# Altium PCB MB1397.PcbDoc (part 8 of 11) (continued)
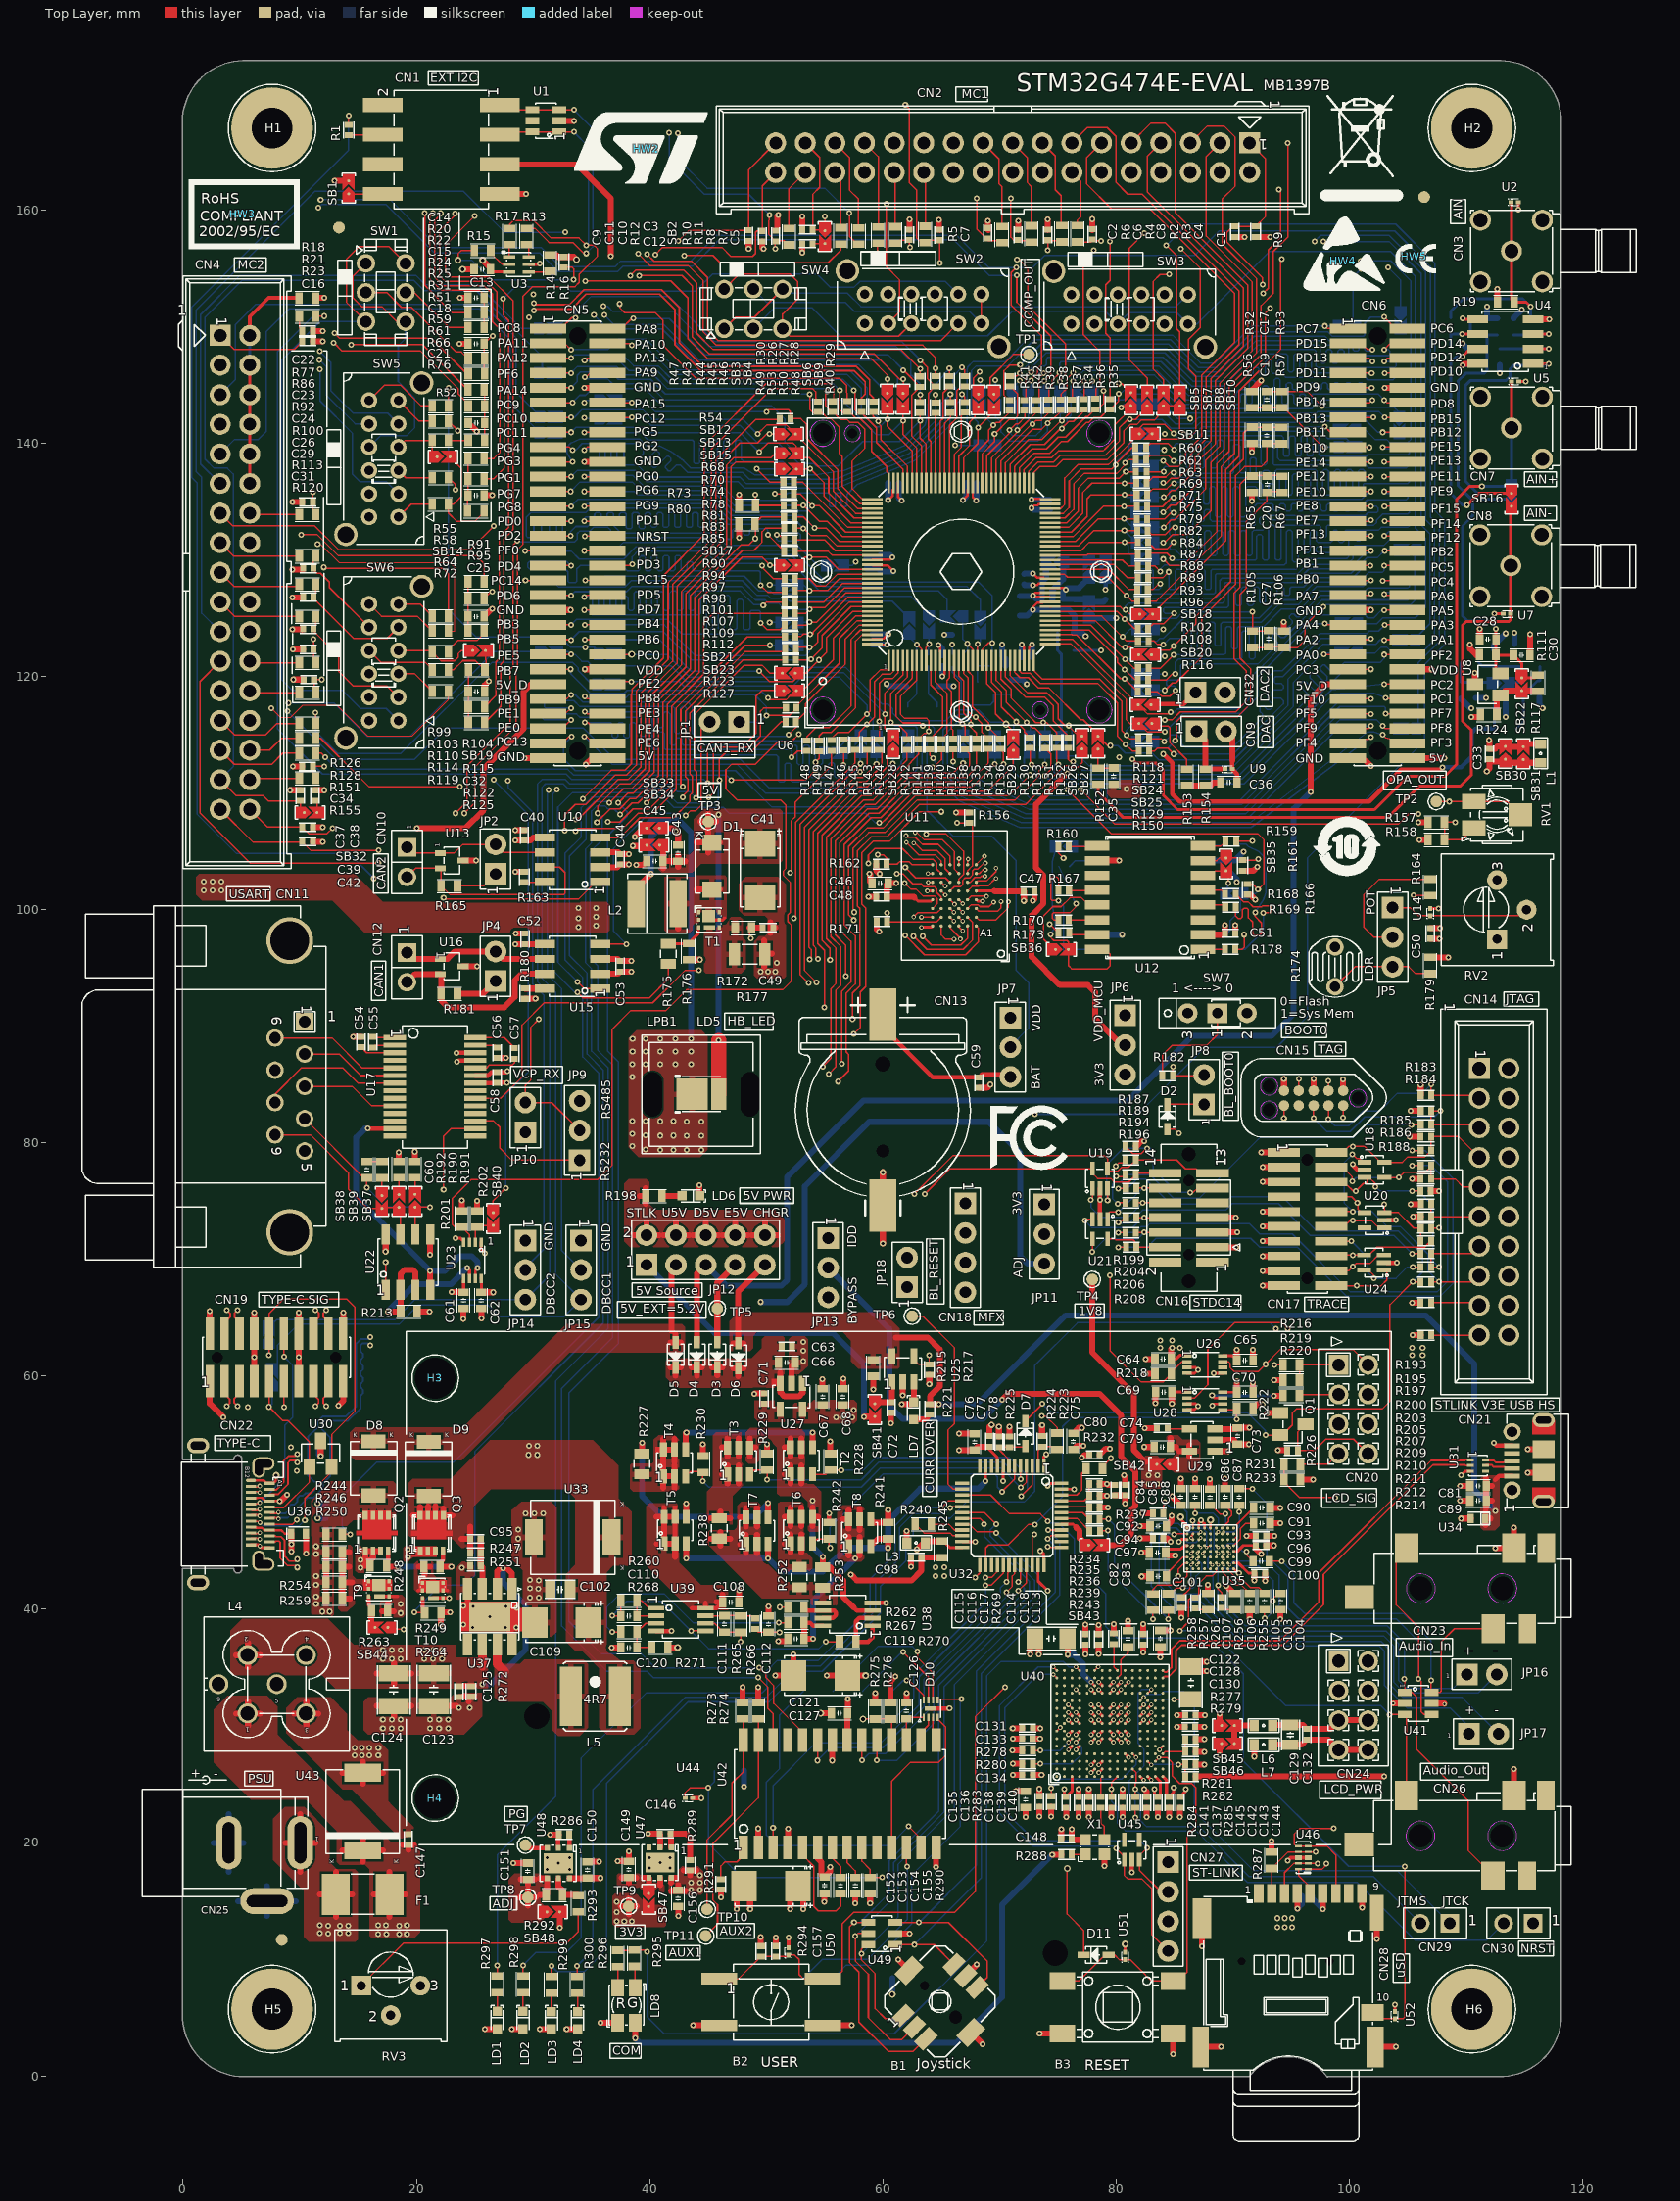
[diagram p0: Top Layer view]
## Nets (pads, with @x,y where several pads share a name; then routed paths per layer and width w, separated by ;. In a path a pad name is that pad's centre, name@x,y a point inside that pad or via, vN(x,y) a via of type N, cw(c..) or ccw(c..) an arc to the next point about the centre after c; other vN are vias at no path point) (continued)
NetR258_1: R258.1 U35.H1 | length 4.4
  Top Layer w0.127: R258.1@83.142,41.336 83.142,41.689 83.538,42.085 84.808,42.085 85.062,42.339 85.57,42.339 86.078,42.847 86.078,43.464 U35.H1@86.077,43.466
NetR261_2: R261.2 U35.G2 | length 3.4
  Top Layer w0.127: R261.2@85.57,41.015 86.332,41.775 v1(86.332,42.339) ; v4(86.416,43.805) U35.G2@86.577,43.966
  Bottom Layer w0.127: v1(86.332,42.339) 86.416,42.423 v4(86.416,43.805)
NetR262_1: R262.1 U38.6 U38.7 | length 4.4
  Top Layer w0.381: R262.1@53.239,40.179 53.528,39.891 55.816,39.891 55.979,39.726 55.979,39.51 55.71,39.24 U38.7@54.848,39.24
NetR263_2: R263.2 SB44.2 T9.3 | length 3
  Top Layer w0.305: T9.3@15.918,41.09 15.918,40.371 16.116,40.175 16.118,39.858 16.118,39.85 16.127,39.842 R263.2@16.144,39.825
  Top Layer w0.508: R263.2@16.144,39.825 16.144,38.524 16.391,38.275
NetR267_1: R267.1 R268.2 | length 20.1
  Top Layer w0.127: v1(36.774,38.05) R268.2@37.519,38.051 ; v1(51.087,38.849) R267.1@51.839,38.851
  Bottom Layer w0.127: v1(36.774,38.05) 36.294,38.53 36.294,40.162 37.455,41.323 41.247,41.323 43.721,38.849 v1(51.087,38.849)
NetR269_2: R269.2 U40.J15 | length 2.4
  Top Layer w0.127: R269.2@79.796,37.022 79.797,35.06 U40.J15@80.105,34.753
NetR270_1: R270.1 U38.1 U38.2 | length 5.9
  Top Layer w0.381: R270.1@57.677,37.208 R270.1@57.676,37.208 ; U38.1@59.098,38.59 59.098,37.589 58.717,37.208 R270.1@57.676,37.208 ; U38.2@59.098,39.24 57.96,39.24 57.676,38.956 R270.1@57.676,37.208
NetR273_1: R273.1 TP10.1 U42.28 | length 17.7
  Top Layer w0.127: TP10.1@44.93,14.272 44.93,20.241 47.066,22.377 47.066,25.095 48.043,26.072 U42.28@48.043,28.765 ; R273.1@47.974,30.612 48.044,30.541 U42.28@48.044,28.763
NetR274_1: R274.1 TP11.1 U42.27 | length 20.8
  Top Layer w0.127: TP11.1@44.803,11.986 45.819,13.002 45.819,14.672 45.438,15.053 45.438,19.934 49.313,23.809 U42.27@49.313,28.765 R274.1@49.313,30.612
NetR278_2: R278.2 U40.C6 | length 3.8
  Top Layer w0.127: R278.2@72.851,27.888 v1(73.505,27.887) ; v2(75.902,28.599) U40.C6@76.205,28.901
  Bottom Layer w0.127: v1(73.505,27.887) 75.189,27.887 v2@75.9,28.598
NetR280_2: R280.2 U40.D6 | length 6.2
  Top Layer w0.127: R280.2@72.851,26.751 v1(73.475,26.749) ; v2(76.552,28.599) U40.D6@76.855,28.901
  Bottom Layer w0.127: v1(73.475,26.749) 76.203,26.749 77.061,27.607 77.061,28.087 v2(76.552,28.599)
NetR281_1: R281.1 R282.1 U40.N3 | length 4.4
  Top Layer w0.127: U40.N3@82.705,26.953 v2(83.008,26.65) ; v1(85.347,26.688) R281.1@85.921,26.69 R282.1@85.921,25.656
  Bottom Layer w0.127: v2@83.007,26.647 83.009,26.649 83.05,26.688 v1(85.347,26.688)
NetR283_2: R283.2 U40.L4 | length 9.9
  Top Layer w0.127: R283.2@74.433,23.968 v1(74.432,24.648) ; U40.L4@81.405,27.603 v2(81.708,27.3)
  Bottom Layer w0.127: v1(74.432,24.648) 75.232,25.448 80.49,25.448 81.709,26.667 v2@81.709,27.297
NetR284_1: R284.1 X1.3 | length 2.9
  Top Layer w0.127: R284.1@78.664,22.999 78.664,21.687 78.989,21.361 X1.3@78.988,20.231
NetR284_2: R284.2 U40.G1 | length 1.8
  Top Layer w0.127: R284.2@78.664,23.899 78.664,25.509 U40.G1@78.805,25.653
NetR286_1: R286.1 U48.1 | length 1.2
  Top Layer w0.381: R286.1@33.105,20.688 33.117,20.676 U48.1@33.116,19.524
NetR288_2: R288.2 X1.1 | length 1.2
  Top Layer w0.127: R288.2@76.192,18.961 76.21,18.979 X1.1@77.338,18.981
NetR291_1: R291.1 U42.1 | length 4.1
  Top Layer w0.127: R291.1@46.103,16.852 46.104,17.986 46.454,18.336 47.47,18.336 48.044,18.91 48.044,19.583 U42.1@48.043,19.585
NetR292_1: R292.1 R293.2 U48.5 | length 2.9
  Top Layer w0.508: U48.5@32.166,16.924 32.167,16.241 32.515,15.893 32.515,15.499 33.818,15.499 R293.2@33.868,15.45
NetR293_1: R293.1 RV3.1 | length 22.2
  Top Layer w0.127: RV3.1@15.258,7.734 18.877,11.351 32.865,11.351 33.868,12.355 R293.1@33.868,14.05
NetR298_2: R298.2 U32.16 | length 67.9
  Top Layer w0.127: R298.2@29.136,8.543 v1(29.136,9.474) ; v1(64.996,48.689) 65.598,49.291 U32.16@66.807,49.292
  Bottom Layer w0.127: v1(29.136,9.474) 30.251,10.589 32.865,10.589 34.135,11.859 34.135,27.257 39.693,32.814 49.622,32.814 50.038,33.23 50.038,34.722 50.902,35.585 54.432,35.585 58.9,40.053 58.9,42.593 61.059,44.752 61.059,47.194 62.555,48.689 v1(64.996,48.689)
NetR300_2: R300.2 U32.17 | length 61.3
  Top Layer w0.127: R300.2@33.782,8.5 v1(33.782,9.431) ; v1(65.758,48.689) 65.86,48.791 U32.17@66.807,48.792
  Bottom Layer w0.127: v1(33.782,9.431) 35.151,10.8 35.151,24.559 43.025,32.433 49.987,32.433 52.682,35.128 54.61,35.128 59.345,39.863 59.345,42.276 61.44,44.371 61.44,47.036 62.586,48.181 65.25,48.181 v1(65.758,48.689)
NetR301_1: R301.1 R305.2 U4.5 | length 3.3
  Top Layer w0.254: v1(109.698,150.67) 109.761,150.607 U4.5@110.985,150.607
  Bottom Layer w0.254: v1(109.698,150.67) 109.761,150.607 R301.1@110.362,150.607 R305.2@110.362,149.337
NetR302_2: R302.2 R304.2 U4.3 | length 4.3
  Top Layer w0.254: U4.3@115.735,149.337 115.735,149.334 v1(117.066,149.334)
  Bottom Layer w0.254: R304.2@114.082,149.273 115.481,149.273 115.542,149.334 v1(117.066,149.334)
NetR303_1: R303.1 R306.2 U4.6 | length 3.3
  Top Layer w0.254: v1(109.67,149.337) U4.6@110.985,149.337
  Bottom Layer w0.254: R306.2@108.684,148.323 R303.1@108.684,149.332 108.684,149.337 v1(109.67,149.337)
NetR306_1: R306.1 SB16.1 U4.7 | length 20.1
  Top Layer w0.254: v1(109.7,147.419) 110.348,148.067 U4.7@110.985,148.067 ; v1(110.081,134.668) 111.097,135.684 113.881,135.684 SB16.1@113.891,135.677
  Bottom Layer w0.254: v1(109.7,147.419) 109.179,147.419 108.684,146.924 108.684,135.684 109.7,134.668 v1(110.081,134.668)
NetR307_1: R307.1 R308.2 U4.2 | length 5.5
  Top Layer w0.254: U4.2@115.735,148.067 v1(117.066,148.067)
  Bottom Layer w0.254: R307.1@112.903,148.103 114.28,148.102 R308.2@114.311,148.073 114.318,148.067 v1(117.066,148.067)
NetR308_1: R308.1 SB75.1 U4.1 | length 22.4
  Top Layer w0.254: U4.1@115.735,146.797 v1(117.066,146.797)
  Bottom Layer w0.254: SB75.1@113.891,135.184 111.47,135.184 109.954,136.7 109.954,144.955 110.335,145.336 113.393,145.336 113.764,145.707 113.764,146.352 114.084,146.672 116.942,146.672 v1(117.066,146.797)
NetR312_1: R312.1 U40.F15 | length 121.1
  Top Layer w0.127: v1(57.503,89.329) 58.056,89.882 58.056,92.93 58.519,93.393 58.519,100.124 58.189,100.454 58.189,104.874 59.154,105.839 60.551,105.839 63.091,108.379 v1(64.996,108.379) ; U40.F15@78.155,34.753 v2(78.457,35.055)
  L4_SIG w0.102: v1(57.503,89.329) 61.186,89.329 61.948,88.567 61.948,88.059 61.973,88.034 61.973,82.89 66.507,78.356 78.834,78.356 79.22,78.743 80.409,78.743 83.132,76.02 83.132,67.528 78.026,62.423 78.026,46.962 79.093,45.895 79.093,35.69 v2@78.476,35.075 ; v1(64.996,108.379) 68.552,111.935 68.552,116.634 66.901,118.285 66.901,121.78 v1(65.951,122.73)
  Bottom Layer w0.127: R312.1@65.953,121.866 v1(65.951,122.73)
NetR319_2: R319.2 U54.1 | length 1.9
  Bottom Layer w0.127: U54.1@87.454,105.459 87.478,105.484 R319.2@89.347,105.485
NetR320_1: R320.1 U54.15 | length 2.6
  Bottom Layer w0.127: R320.1@75.988,103.681 76.495,104.188 U54.15@78.354,104.189
NetR321_2: R321.2 U54.8 | length 1.9
  Bottom Layer w0.127: U54.8@87.454,96.569 87.452,96.571 89.311,96.571 R321.2@89.312,96.569
NetR322_1: R322.1 U54.9 | length 2
  Bottom Layer w0.127: R322.1@76.379,96.468 76.479,96.568 U54.9@78.354,96.569
NetSB35_2: SB35.2 SB120.2 U12.6 | length 4.2
  Top Layer w0.127: U12.6@87.454,102.919 88.082,102.918 88.476,103.309 SB35.2@89.418,103.312 89.418,103.21 89.601,103.027 v1(89.601,102.265)
  Bottom Layer w0.127: SB120.2@89.535,101.349 89.535,102.197 v1(89.601,102.265)
NetSB36_1: SB36.1 U12.13 | length 8.9
  Top Layer w0.127: SB36.1@74.801,96.572 74.646,96.571 73.759,97.457 73.759,99.444 74.567,100.251 75.283,100.251 76.045,101.013 77.01,101.013 77.645,100.378 U12.13@78.354,100.379
NetSB43_1: SB43.1 U32.41 | length 3.3
  Top Layer w0.254: U32.41@75.307,47.292 75.306,47.292 76.299,47.292 76.553,47.036
  Top Layer w0.508: 76.553,47.036 76.871,46.718 76.871,46.086 77.455,45.502
NetSB119_1: SB119.1 U54.16 | length 2.4
  Bottom Layer w0.127: SB119.1@75.997,105.408 76.048,105.458 U54.16@78.354,105.459
NetSW1_1: SW1.1 SW1.6 SW5.7 | length 23.3
  Top Layer w0.127: SW1.1@15.667,155.407 14.552,154.292 14.552,152.448 15.314,151.686 17.041,151.686 18.321,150.406 SW1.6@19.068,150.406
  Bottom Layer w0.127: SW5.7@15.951,139.649 SW5.7@15.95,139.65 SW5.7@15.95,139.65 16.914,140.612 19.149,140.612 19.86,141.323 19.86,143.838 18.438,145.26 18.438,148.333 19.068,148.963 SW1.6@19.068,150.406
NetSW1_3: SW1.3 SW1.4 SW6.1 | length 59.6
  Top Layer w0.127: SW1.3@15.667,150.407 13.993,152.08 13.993,155.75 15.085,156.842 17.63,156.842 18.548,155.926 SW1.4@19.067,155.408
  Bottom Layer w0.127: SW1.3@15.667,150.407 11.747,150.406 8.481,147.14 8.481,119.682 9.37,118.793 13.663,118.793 15.212,117.244 17.407,117.244 SW6.1@18.451,116.202
NetSW2_3: SW2.3 SW4.3 SW4.4 | length 23.5
  Top Layer w0.127: SW4.4@46.389,153.192 47.678,154.48 52.042,154.48 52.677,153.845 52.677,152.321 51.425,151.069 51.389,151.069 SW4.3@51.389,149.792 52.032,149.146 61.331,149.146 SW2.3@62.446,150.262
NetSW3_9: SW3.9 SW4.1 SW4.6 | length 42.2
  Top Layer w0.127: SW4.1@46.389,149.792 47.394,150.797 48.994,150.797 SW4.6@51.389,153.192
  Bottom Layer w0.127: SW4.6@51.389,153.192 51.725,152.855 56.944,152.855 58.113,151.686 85.11,151.686 SW3.9@86.146,152.722
NetTP7_1: TP7.1 U48.3 | length 2
  Top Layer w0.381: TP7.1@29.35,19.774 29.599,19.522 U48.3@31.216,19.524
NRST: B3.3 B3.4 C174.2 D7.2 D11.1 Q1.2 R196.2 R211.2 R309.2 U6.21 U40.P3 U51.1 | length 314.7
  Top Layer w0.127: v1(23.34,108.252) 24.356,109.268 24.356,112.316 28.039,115.999 28.039,120.571 28.27,120.802 28.27,131.229 v1(28.661,131.62) ; U6.21@68.503,121.346 68.504,121.346 68.504,122.301 69.06,122.857 v1(69.375,122.857) ; D7.2@72.207,56.137 v1(73.678,57.61) ; B3.4@75.39,8.125 76.795,8.125 79.033,10.363 D11.1@79.353,10.363 79.857,10.363 80.263,9.957 U51.1@80.767,9.957 ; v1(80.188,76.076) R196.2@80.823,76.077 ; U51.1@80.767,9.962 81.203,9.962 82.054,9.109 83.038,8.124 83.489,8.124 83.49,8.123 85.323,8.123 86.078,8.878 86.078,20.622 86.84,21.384 86.84,24.686 86.459,25.067 85.443,25.067 84.808,25.702 84.808,26.845 84.356,27.297 v2@83.658,27.297 ; U40.P3@83.355,26.953 83.658,27.256 v2(83.658,27.287) v2@83.658,27.297 ; v2@83.658,27.3 v2@83.658,27.297 ; v1(92.809,54.928) Q1.2@94.023,54.928 ; Q1.2@94.023,54.93 Q1.2@94.023,54.928 ; R211.2@106.091,68.072 v1(105.43,68.072) 103.477,66.116 103.477,57.833 102.842,57.198 95.476,57.198 95.095,56.817 95.095,55.801 94.221,54.928 Q1.2@94.023,54.928
  L4_SIG w0.102: v1(23.34,108.252) 23.848,107.744 32.916,107.744 33.424,108.252 33.881,108.252 34.516,107.617 34.516,95.298 37.462,92.352 51.458,92.352 54.912,88.897 60.678,88.897 61.669,87.907 61.669,82.764 66.381,78.052 76.655,78.052 77.188,77.518 77.188,75.027 77.719,74.496 79.449,74.496 79.715,74.762 79.715,75.22 80.188,75.692 v1(80.188,76.076) ; v2@83.657,27.297 83.259,27.696 83.259,28.776 83.614,29.131 83.614,34.262 87.145,37.793 94.993,37.793 96.289,39.088 96.289,47.368 94.714,48.943 94.714,54.023 93.81,54.928 v1(92.809,54.928)
  Bottom Layer w0.127: v1(28.661,131.62) 28.674,131.62 28.776,131.519 33.551,131.519 33.779,131.747 33.779,132.23 34.008,132.458 34.872,132.458 35.176,132.763 36.421,132.763 36.645,132.54 R309.2@36.645,132.08 36.85,131.874 45.408,131.874 46.472,130.81 52.344,130.81 55.09,128.064 68.199,128.064 69.372,126.891 69.372,122.86 v1(69.375,122.857) C174.2@69.375,122.022 ; v1(73.678,57.61) 74.445,56.843 91.26,56.843 92.809,55.293 v1(92.809,54.928) ; v1(80.188,76.076) 80.952,76.076 81.76,76.883 82.522,76.883 84.681,74.724 89.202,74.724 89.837,75.359 94.257,75.359 97.178,72.438 104.188,72.438 106.271,70.355 106.271,68.91 v1(105.43,68.072)
NRST_E: CN5.30 R309.1 | length 3.3
  Top Layer w0.127: v1(34.44,132.001) 34.465,132.029 CN5.30@36.385,132.031
  Bottom Layer w0.127: v1(34.44,132.001) 34.514,132.077 35.029,132.077 35.032,132.08 R309.1@35.745,132.08
OPAMP1_INN: C20.1 R65.2 R67.2 SB105.1 | length 33.2
  Top Layer w0.127: v1(84.173,116.253) 84.781,116.253 85.479,116.952 90.251,116.952 91.138,117.839 91.138,120.467 90.094,121.511 90.094,127.127 90.625,127.658 90.625,136.472 91.376,137.224 92.936,137.224 92.939,137.226 R67.2@94.176,137.226
  Bottom Layer w0.127: SB105.1@82.974,115.789 83.438,116.253 83.69,116.253 ; 82.974,115.537 82.974,115.54 83.099,115.663 83.69,116.253 ; v1(84.173,116.253) 83.69,116.253
OPAMP1_INP: R61.2 SB95.1 | length 149.2
  Top Layer w0.127: v1(22.07,159.695) 22.07,159.568 21.562,159.06 21.562,154.226 22.324,153.464 25.855,153.464 26.262,153.057 ; R61.2@25.813,138.674 26.634,138.674 27.15,139.19 27.15,149.781 26.53,150.401 26.53,152.792 26.264,153.058
  L4_SIG w0.102: v1(22.07,159.695) 22.07,160.094 24.407,162.43 45.466,162.43 47.752,160.144 59.205,160.144 59.662,159.687 60.526,159.687 61.161,160.322 67.028,160.322 67.536,159.814 70.99,159.814 72.006,160.83 94.206,160.83 v1(97.762,157.274)
  Bottom Layer w0.127: v1(97.762,157.274) 103.396,157.274 106.144,154.526 106.144,132.966 106.906,132.204 106.906,124.508 105.509,123.111 SB95.1@105.375,123.111
OPAMP1_OUT: C20.2 R67.1 SB117.1 | length 32
  Top Layer w0.127: v1(85.062,114.475) 85.189,114.602 85.189,116.126 85.602,116.539 90.428,116.539 91.516,117.627 91.516,120.654 90.602,121.568 90.602,127 91.158,127.556 91.158,133.271 92.936,135.049 92.936,135.824 94.173,135.824 R67.1@94.176,135.827
  Bottom Layer w0.127: SB117.1@82.989,114.387 83.537,113.84 84.427,113.84 v1(85.062,114.475)
OPAMP2_IN1P: R31.2 SB101.1 | length 125.8
  Top Layer w0.127: v1(14.425,148.435) 20.526,148.435 R31.2@24.421,144.542
  L4_SIG w0.102: v1(14.425,148.435) 14.069,148.791 14.069,156.233 15.72,157.884 23.137,157.884 24.28,159.027 25.55,159.027 25.918,159.395 30.592,159.395 31.239,160.043 44.27,160.043 46.708,157.604 48.207,157.604 48.74,157.071 60.5,157.071 61.364,156.207 63.497,156.207 64.107,156.817 67.056,156.817 67.716,156.157 71.727,156.157 72.21,155.674 72.21,151.051 75.588,147.673 80.109,147.673 81.176,146.606 81.176,143.507 82.319,142.364 82.319,127.505 83.157,126.667 83.157,121.204 v1(84.173,120.19)
  Bottom Layer w0.127: SB101.1@83.022,120.19 v1(84.173,120.19)
OPAMP2_IN2P: C15.1 R24.2 R25.1 SB70.1 | length 63.6
  Top Layer w0.127: R25.1@25.817,145.844 25.819,145.847 25.819,147.241 25.817,147.244 25.817,148.511 26.497,149.192 v1(26.54,149.192)
  L4_SIG w0.102: v1(26.54,149.192) 29.253,149.192 30.96,150.899 30.96,152.575 32.23,153.845 32.23,156.833 33.47,158.073 42.76,158.073 44.295,156.538 44.295,149.68 48.765,145.209 51.153,145.209 53.312,143.05 57.249,143.05 60.498,139.802 v1(66.192,139.802)
  Bottom Layer w0.127: v1(66.192,139.802) SB70.1@68.441,139.802
OPAMP2_INN: C19.1 R56.2 R57.2 SB20.1 | length 26.4
  Top Layer w0.127: SB20.1@83.025,121.844 83.287,121.844 83.665,122.222 84.554,122.222 v1(84.935,122.603) 86.84,124.508 86.84,125.143 89.812,128.115 89.812,137.513 90.904,138.605 90.904,140.84 91.396,141.332 R56.2@91.641,141.332 ; R56.2@91.645,141.356 92.905,141.356 92.908,141.36 94.146,141.36 R57.2@94.168,141.337
OPAMP2_OUT: C19.2 R57.1 SB104.1 | length 28.2
  Top Layer w0.127: v1(84.173,118.793) 84.808,119.428 85.105,119.428 87.348,121.671 87.348,125.016 90.244,127.912 90.244,137.208 91.006,137.97 92.428,137.97 92.916,138.458 92.916,139.906 92.947,139.937 R57.1@94.168,139.937
  Bottom Layer w0.127: SB104.1@83.022,118.793 v1(84.173,118.793)
OPAMP3_INN: C27.1 R105.2 R106.2 SB80.1 | length 20.8
  Top Layer w0.127: R105.2@91.702,122.467 93.033,122.466 C27.1@93.086,122.521 94.295,122.519 R106.2@94.349,122.467 95.567,122.466 96.187,123.086 96.187,124.356 v1(97.775,125.943)
  Bottom Layer w0.127: v1(97.775,125.943) 97.991,126.159 105.255,126.159 105.598,126.502 105.598,130.632 105.437,130.795 105.374,130.858
OPAMP3_INP: R125.2 SB94.1 | length 140.2
  Top Layer w0.127: v1(24.991,159.459) 22.476,156.944 22.476,154.734 22.987,154.224 26.257,154.224 28.293,152.188 28.293,132.565 27.483,131.755 27.483,121.285 27.229,121.031 27.229,117.412 R125.2@25.847,116.027
  L4_SIG w0.102: v1(24.991,159.459) 25.245,159.713 30.452,159.713 31.087,160.348 44.447,160.348 46.81,157.985 48.969,157.985 49.578,157.376 63.805,157.376 63.856,157.427 67.31,157.427 67.945,156.792 72.21,156.792 72.895,156.106 72.895,151.229 75.689,148.435 80.236,148.435 81.811,146.86 81.811,143.761 82.928,142.644 82.928,127.912 84.021,126.82 v1(84.021,124.028)
  Bottom Layer w0.127: SB94.1@83.007,124.028 v1(84.021,124.028)
OPAMP3_OUT: C27.2 R105.1 SB91.1 | length 12.1
  Top Layer w0.127: v1(91.666,125.524) 91.702,125.489 R105.1@91.702,123.867 93.033,123.866 C27.2@93.086,123.921
  Bottom Layer w0.127: SB91.1@82.998,125.324 83.368,124.953 85.143,124.953 85.717,125.524 v1(91.666,125.524)
OPAMP4/COMP6_INP: R164.1 SB8.2 | length 86
  Top Layer w0.127: SB8.2@84.046,144.285 84.046,145.463 83.157,146.352 83.157,153.845 83.767,154.455 v1(84.554,154.455) ; v1(105.477,101.2) R164.1@106.934,101.2
  L4_SIG w0.102: v1(84.554,154.455) 84.706,154.607 92.961,154.607 93.292,154.277 97.173,154.277 99.713,151.737 103.579,151.737 104.518,150.797 104.518,134.516 106.017,133.017 106.017,122.121 105.611,121.714 105.611,118.057 106.017,117.65 106.017,109.446 105.077,108.506 105.077,105.484 105.814,104.747 105.814,101.537 v1(105.477,101.2)
OPAMP4_IN1P: C14.1 R20.1 R22.2 SB67.1 | length 123.1
  Top Layer w0.127: v1(21.41,159.695) 21.13,159.415 21.13,154.099 22.146,153.083 25.397,153.083 C14.1@25.817,152.664 ; C14.1@25.813,152.448 25.813,151.188 R20.1@25.821,151.181 R22.2@25.821,149.911
  L4_SIG w0.102: v1(21.41,159.695) 21.41,160.068 24.102,162.761 45.697,162.761 48.009,160.449 59.535,160.449 59.916,160.068 60.449,160.068 61.008,160.627 67.18,160.627 67.663,160.144 70.879,160.144 71.945,161.211 95.349,161.211 v1(100.942,155.618)
  Bottom Layer w0.127: SB67.1@100.292,141.145 100.294,141.148 101.341,141.148 102.182,140.307 103.172,140.307 103.477,140.002 104.976,140.002 105.28,140.307 105.28,153.871 103.533,155.618 v1(100.942,155.618)
OPAMP4_IN2P: R91.2 SB63.1 | length 133.4
  Top Layer w0.127: v1(10.132,132.128) 11.502,132.128 13.305,130.325 25.118,130.325 25.821,129.622 R91.2@25.821,128.079
  L4_SIG w0.102: v1(10.132,132.128) 10.132,134.107 11.557,135.532 11.557,145.44 13.713,147.597 13.713,156.309 15.644,158.239 23.061,158.239 24.864,160.043 30.223,160.043 30.858,160.678 44.625,160.678 46.886,158.417 48.969,158.417 49.654,157.731 67.714,157.731 68.349,157.096 72.464,157.096 73.2,156.36 73.2,151.354 75.408,149.146 80.363,149.146 86.332,143.177 v1(86.332,142.098)
  Bottom Layer w0.127: SB63.1@83.022,143.304 83.022,143.307 84.046,143.307 85.25,142.098 v1(86.332,142.098)
OpAmp4_INM: R157.1 R158.1 RV1.1 SB11.2 | length 95
  Top Layer w0.127: SB11.2@83.114,140.787 SB11.2@83.078,140.788 83.53,140.335 ; 83.566,140.335 86.157,140.335 86.84,141.018 86.84,145.717 86.205,146.352 86.205,148.892 87.221,149.908 87.221,154.963 v1(85.545,156.639) ; v1(109.065,107.49) 109.052,107.478 R157.1@108.142,107.479 R158.1@108.142,105.983 109.654,105.982 RV1.1@110.649,106.979
  L4_SIG w0.102: v1(85.545,156.639) 85.697,156.487 98.27,156.487 100.581,154.175 104.341,154.175 106.652,151.864 106.652,135.684 108.151,134.186 108.151,115.136 109.065,114.221 v1(109.065,107.49)
OPAMP4_INN: C17.1 R32.2 R33.2 SB71.1 | length 9.1
  Top Layer w0.127: R32.2@91.645,143.024 91.646,143.025 91.658,143.012 92.913,143.012 92.926,143.025 R33.2@94.186,143.025 ; R33.2@94.185,143.024 R33.2@94.186,143.025 ; v1(97.889,139.652) 97.732,139.652 94.358,143.025 R33.2@94.186,143.025
  Bottom Layer w0.127: v1(97.889,139.652) SB71.1@99.365,139.652
OPAMP4_OUT: C17.2 R33.1 SB65.1 | length 12.7
  Top Layer w0.127: C17.2@92.913,144.412 92.926,144.424 96.388,144.424 v1(97.635,143.177)
  Bottom Layer w0.127: v1(97.635,143.177) 97.762,143.05 103.833,143.05 104.264,142.618 SB65.1@104.264,141.976
OpAmp4_VOUT: RV1.2 RV1.3 SB7.2 TP2.1 | length 92.9
  Top Layer w0.127: v1(82.395,157.985) 81.125,156.715 81.125,147.114 82.649,145.59 SB7.2@82.649,144.285 ; TP2.1@107.442,109.258 v1(108.557,109.258) 110.627,109.258 RV1.3@110.649,109.279 113.497,109.278 RV1.2@114.649,108.129
  L4_SIG w0.102: v1(82.395,157.985) 82.941,157.439 82.941,156.754 83.513,156.182 97.894,156.182 100.282,153.794 104.29,153.794 106.271,151.813 106.271,135.43 107.846,133.855 107.846,114.932 108.557,114.221 v1(108.557,109.258)
PA0: CN6.45 SB26.2 SB98.2 SB116.1 U6.27 | length 45.2
  Top Layer w0.127: U6.27@70.903,121.346 70.902,120.068 72.367,118.603 74.011,118.603 74.826,117.785 75.029,117.582 75.029,116.355 75.613,115.771 v1(75.918,115.771) 75.918,115.697 76.759,114.859 SB26.2@77.064,114.859 ; v1(97.79,121.869) CN6.45@99.865,121.871
  Bottom Layer w0.127: v1(75.918,115.771) 76.197,115.491 76.197,114.003 75.791,113.596 75.283,113.596 75.722,113.154 76.858,113.154 77.704,112.309 90.084,112.309 95.199,117.424 95.199,119.482 97.587,121.869 v1(97.79,121.869) 97.892,121.971 SB98.2@99.321,121.971 SB98.2@99.322,121.968
PA1: CN6.44 SB27.2 SB95.2 U6.28 | length 44.8
  Top Layer w0.127: U6.28@71.303,121.346 71.303,120.333 71.417,120.218 71.417,120.216 71.75,119.883 72.456,119.883 73.355,118.984 74.242,118.984 76.949,116.276 77.165,116.276 78.435,115.006 SB27.2@78.435,114.854 78.463,114.854 79.276,114.038 79.284,114.046 v1(79.502,114.046) ; v1(102.969,123.111) 102.997,123.139 CN6.44@104.965,123.141
  Bottom Layer w0.127: v1(79.502,114.046) 80.157,114.046 80.78,113.424 83.066,113.424 83.665,112.824 90.064,112.824 94.712,117.472 94.712,119.74 97.702,122.73 102.232,122.73 102.613,123.111 v1(102.969,123.111) SB95.2@104.275,123.111
PA2: R150.2 SB117.2 U6.29 | length 16.7
  Top Layer w0.127: U6.29@71.703,121.346 71.702,120.475 71.798,120.378 71.798,120.376 71.91,120.264 72.616,120.264 73.515,119.365 78.445,119.365 80.109,117.699 80.109,114.856 v1(80.808,114.158) 81.365,113.6 R150.2@81.922,113.6
  Bottom Layer w0.127: v1(80.808,114.158) 80.828,114.137 81.89,114.137
PA3: R129.2 SB105.2 U6.32 | length 16.2
  Top Layer w0.127: U6.32@72.903,121.346 72.903,120.518 73.675,119.746 78.603,119.746 80.49,117.859 80.49,115.319 v1(80.874,114.935) 81.186,114.623 R129.2@81.907,114.623
  Bottom Layer w0.127: v1(80.874,114.935) 80.874,115.364 81.298,115.789 SB105.2@81.874,115.789 ; 81.476,115.537 81.478,115.54 81.874,115.54 81.874,115.537 81.476,115.537
PA4: CN6.41 SB25.2 SB93.2 U6.33 | length 36.2
  Top Layer w0.127: U6.33@74.323,122.766 76.136,122.766 80.874,118.026 80.874,116.253 81.176,115.951 SB25.2@81.95,115.951 82.657,115.242 84.165,115.242 v1(84.173,115.237) ; v1@97.889,124.508 97.988,124.409 v1@97.991,124.409 ; v1(97.889,124.511) v1@97.991,124.409 ; CN6.41@99.865,124.411 v1@97.991,124.409
  Bottom Layer w0.127: v1(84.173,115.237) 85.766,116.83 90.731,116.83 92.126,118.224 92.126,119.951 92.489,120.314 92.489,120.317 96.683,124.511 v1(97.889,124.511) 99.322,124.511 SB93.2@99.319,124.508
PA5: CN6.40 SB24.2 U6.34 | length 38.2
  Top Layer w0.127: U6.34@74.323,123.166 76.276,123.165 SB24.2@81.89,117.551 82.68,116.761 84.511,116.761 v1(84.666,116.916) ; v1(102.984,125.667) 102.997,125.679 CN6.40@104.965,125.681
  Bottom Layer w0.127: v1(84.666,116.916) 84.958,116.916 85.25,117.208 90.534,117.208 91.618,118.292 91.618,119.981 92.634,120.997 92.634,121.001 96.904,125.27 101.318,125.27 101.572,125.016 102.08,125.016 102.73,125.667 v1(102.984,125.667)
PA6: R121.2 SB104.2 U6.35 | length 11.1
  Top Layer w0.127: U6.35@74.323,123.566 74.323,123.563 76.228,123.563 76.246,123.546 76.609,123.546 80.363,119.791 v1(80.726,119.791) R121.2@81.834,118.684
  Bottom Layer w0.127: v1(80.726,119.791) 81.214,119.301 81.415,119.301 SB104.2@81.922,118.793
PA7: R118.2 SB101.2 U6.36 | length 10.9
  Top Layer w0.127: U6.36@74.323,123.966 77.701,123.965 80.109,121.554 80.109,121.186 v1(80.726,120.571) 81.631,119.667 R118.2@81.846,119.667
  Bottom Layer w0.127: v1(80.726,120.571) 81.107,120.19 SB101.2@81.922,120.19
PA8: CN5.2 R30.2 U6.89 | length 38.5
  Top Layer w0.127: CN5.2@36.385,149.811 37.592,149.809 38.453,150.67 v1(38.58,150.67) ; v1(61.752,146.251) R30.2@63.19,144.813 ; R30.2@63.19,144.81 R30.2@63.19,144.813 ; U6.89@63.303,136.586 63.302,139.758 62.459,140.602 62.459,144.082 R30.2@63.19,144.813
  Bottom Layer w0.127: v1(38.58,150.67) 41.676,150.67 44.775,147.571 60.429,147.571 v1(61.752,146.251)
PA9: CN5.8 SB4.2 SB54.2 U6.90 | length 40.2
  Top Layer w0.127: v1(34.44,145.641) 34.541,145.641 34.902,146.002 36.386,146.002 CN5.8@36.385,146.001 ; SB4.2@61.721,143.151 61.722,143.152 v1(61.722,141.907) 61.722,140.739 62.903,139.558 U6.90@62.903,136.586
  Bottom Layer w0.127: v1(34.44,145.641) 34.567,145.517 36.373,145.517 36.807,145.082 39.875,145.082 41.245,143.713 56.457,143.713 57.76,142.41 57.76,142.385 59.432,140.713 60.528,140.713 v1(61.722,141.907) 61.722,143.152 SB54.2@61.721,143.151
PA10: CN5.4 SB3.2 SB53.2 U6.91 | length 37.1
  Top Layer w0.127: CN5.4@36.385,148.541 38.298,148.539 v1(38.453,148.384) ; SB3.2@60.366,143.154 60.376,143.165 v1(60.376,142.034) 60.376,141.458 62.502,139.332 U6.91@62.503,136.586
  Bottom Layer w0.127: v1(38.453,148.384) 39.571,148.384 42.085,145.87 56.944,145.87 58.138,144.676 58.138,142.565 59.304,141.399 59.741,141.399 v1(60.376,142.034) SB53.2@60.376,143.18
PA11: CN5.3 R46.2 U6.92 | length 40.6
  Top Layer w0.127: CN5.3@31.285,148.541 31.285,148.542 32.71,148.542 v1(33.246,148.003) ; R46.2@59.154,142.601 59.154,142.314 v1(59.586,141.882) 59.586,141.703 59.831,141.459 59.831,140.266 ; 60.159,139.938 59.831,140.266 ; U6.92@62.103,136.586 62.103,137.995 59.833,140.266 59.831,140.266
  Bottom Layer w0.127: v1(33.246,148.003) 36.421,148.003 37.31,148.892 39.721,148.892 42.337,146.276 57.097,146.276 58.646,144.727 58.646,143.126 59.586,142.187 v1(59.586,141.882)
PA12: CN5.5 R45.2 U6.93 | length 37.5
  Top Layer w0.127: CN5.5@31.285,147.271 31.285,147.272 v1(33.246,147.272) ; v1(57.495,144.531) 57.582,144.445 57.582,142.845 57.826,142.601 58.153,142.601 59.446,141.307 59.446,140.038 61.719,137.765 U6.93@61.719,136.586
  Bottom Layer w0.127: v1(33.246,147.272) 33.523,147.549 37.694,147.549 38.636,146.606 40.747,146.606 41.887,145.463 56.563,145.463 v1(57.495,144.531)
PA13: CN5.6 R44.2 U6.96 | length 35.6
  Top Layer w0.127: v1(34.417,147.066) 34.62,147.269 CN5.6@36.385,147.271 ; v1(56.297,144.511) 56.317,144.49 56.317,142.839 56.48,142.676 R44.2@56.946,142.676 ; 56.556,142.601 57.197,142.601 57.636,142.161 58.005,142.161 58.107,142.06 58.11,142.06 58.747,141.424 ; 58.745,141.425 58.747,141.424 ; U6.96@60.503,136.586 60.503,137.363 60.325,137.541 60.325,137.98 59.028,139.277 59.028,141.142 58.747,141.424
  Bottom Layer w0.127: v1(34.417,147.066) 37.363,147.066 38.204,146.225 40.587,146.225 41.73,145.082 55.725,145.082 v1(56.297,144.511)
PA14: CN5.9 R47.2 U6.98 | length 37
  Top Layer w0.127: CN5.9@31.285,144.731 31.285,144.732 v1(33.246,144.732) ; v1(53.718,144.193) 53.718,142.894 54.011,142.601 54.778,142.601 55.268,142.11 55.522,142.11 56.261,141.374 56.261,139.085 56.495,138.852 56.495,136.299 58.011,134.785 58.092,134.785 58.105,134.772 59.075,134.772 U6.98@59.083,134.766
  Bottom Layer w0.127: v1(33.246,144.732) 33.782,145.268 33.782,145.796 34.087,146.101 36.678,146.101 37.315,145.463 40.079,145.463 41.349,144.193 v1(53.718,144.193)
PA15: CN5.12 R54.2 SB62.2 U6.99 | length 30.2
  Top Layer w0.127: CN5.12@36.385,143.461 v1(38.481,143.459) ; v1(50.01,142.669) 50.216,142.875 51.879,142.875 52.06,142.694 R54.2@52.06,142.085 52.959,142.085 53.439,141.605 53.439,140.414 56.114,137.739 56.114,136.088 57.836,134.366 U6.99@59.083,134.366
  Bottom Layer w0.127: SB62.2@37.049,143.637 38.303,143.637 v1(38.481,143.459) 39.703,143.459 40.49,142.669 v1(50.01,142.669)
PB0: R108.1 SB94.2 U6.39 | length 10.6
  Top Layer w0.127: U6.39@74.323,125.166 78.743,125.166 80.891,123.017 ; v1(80.546,123.393) 80.891,123.017 ; R108.1@81.871,123.018 80.891,123.017
  Bottom Layer w0.127: v1(80.546,123.393) 81.181,124.028 SB94.2@81.907,124.028